# Altium PCB LAB_B3_209_V2.PcbDoc (part 3 of 4)
Units mm, origin at the board's own origin, x right, y up, seen from the top; angles counter-clockwise.
Board outline 94.69 x 88.04 mm, 4 copper layers (L1 [TOP], L2[GND], L3[SIG], L4[BOT]), stack 1.527 mm thick; 372 components, 284 nets, 1235 pads, 485 vias.
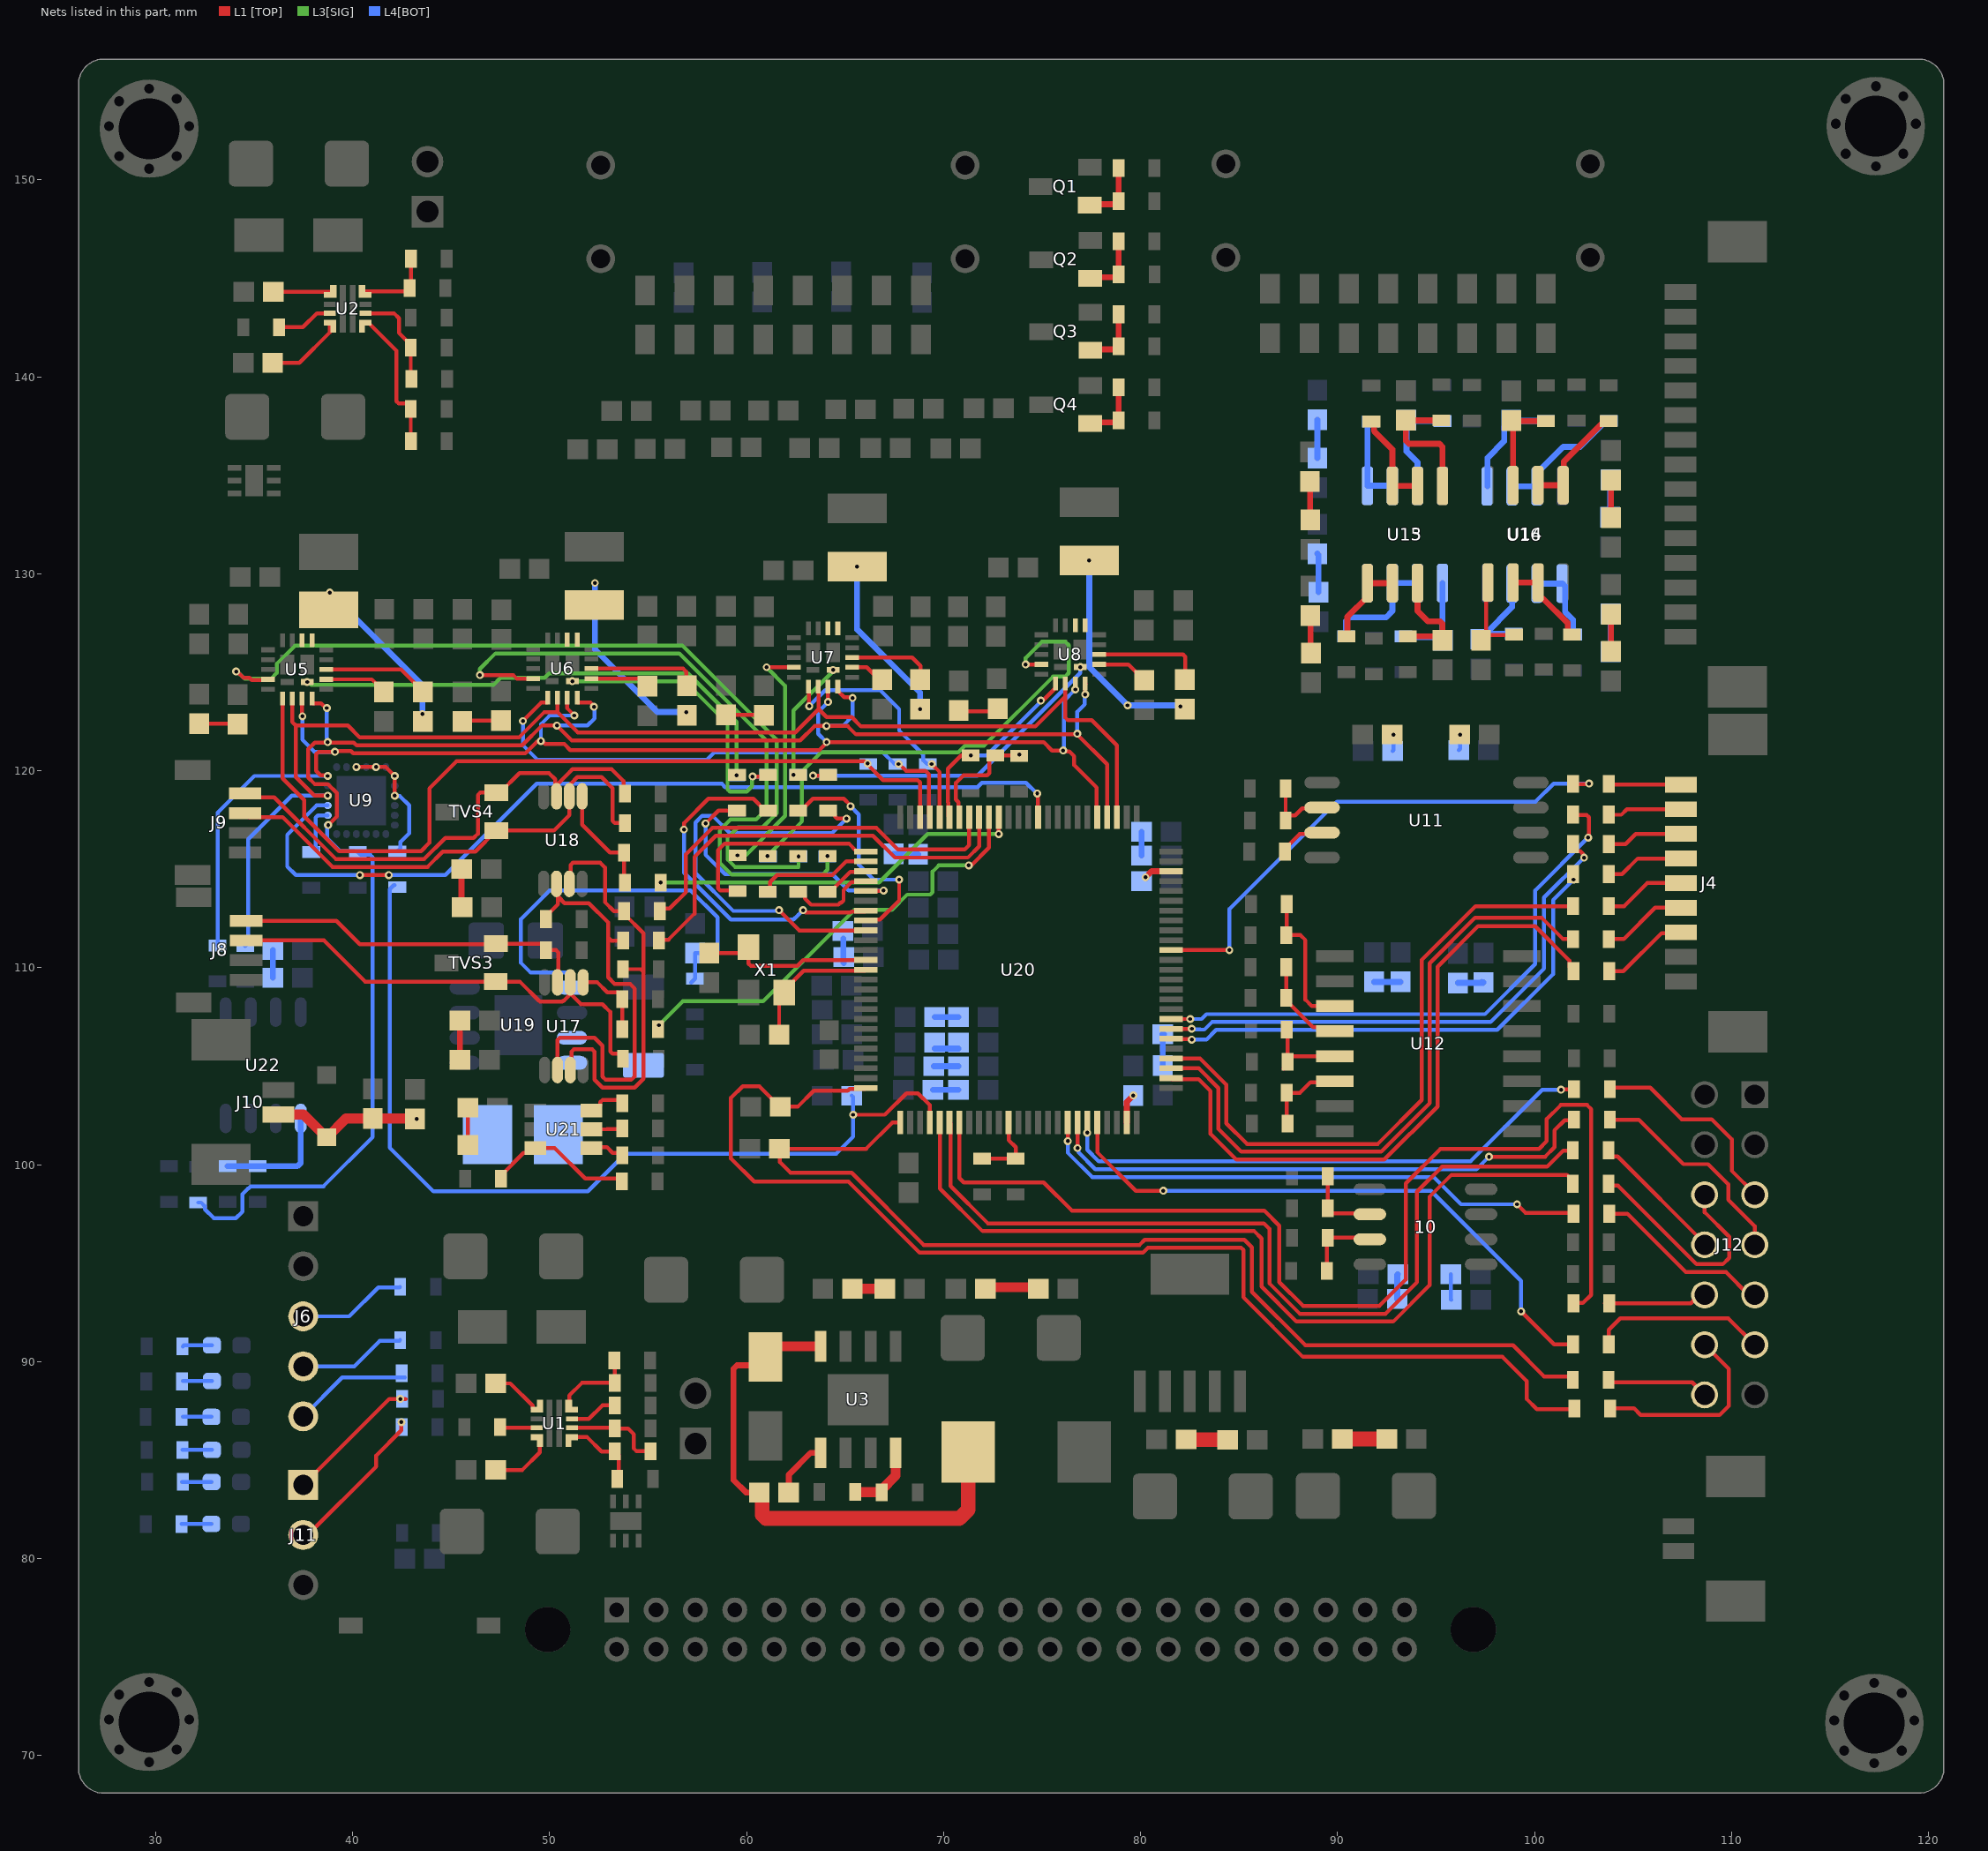
[diagram p5: the nets of this part, all layers, seen from the top]

## Via types
v1: diameter 0.4, hole 0.2, L1 [TOP] to L4[BOT], tented both sides, 297 vias
v2: diameter 0.4, hole 0.2, L1 [TOP] to L4[BOT], 66 vias
v3: diameter 0.4, hole 0.2, L1 [TOP] to L2[GND], tented both sides, 66 vias
v4: diameter 0.4, hole 0.2, L2[GND] to L4[BOT], tented both sides, 14 vias
v5: diameter 0.5, hole 0.2, L1 [TOP] to L4[BOT], tented both sides, 12 vias
v6: diameter 0.4, hole 0.2, L3[SIG] to L4[BOT], 10 vias
v7: diameter 0.4, hole 0.2, L1 [TOP] to L3[SIG], tented both sides, 9 vias
v8: diameter 0.4, hole 0.2, L1 [TOP] to L2[GND], 6 vias
v9: diameter 0.4, hole 0.2, L3[SIG] to L4[BOT], tented both sides, 3 vias
v10: diameter 0.4, hole 0.2, L2[GND] to L4[BOT], 2 vias

## Nets (pads, with @x,y where several pads share a name; then routed paths per layer and width w, separated by ;. In a path a pad name is that pad's centre, name@x,y a point inside that pad or via, vN(x,y) a via of type N, cw(c..) or ccw(c..) an arc to the next point about the centre after c; other vN are vias at no path point) (continued)
MCU_LASER_ADC1: C153.1 R126.2 U20.25 | length 61.2
  L1 [TOP] w0.2: U20.25@66.05,103.9 66,103.85 65.226,103.85 65.141,103.765 63.412,103.765 62.594,102.946 C153.1@61.71,102.946 61.685,102.946 60.644,103.988 59.798,103.988 59.207,103.397 59.207,100.315 60.38,99.143 65.17,99.143 68.783,95.53 80.114,95.53 80.375,95.79 85.1,95.79 85.217,95.673 85.217,93.269 88.24,90.246 98.374,90.246 99.593,89.027 99.593,88.113 100.115,87.591 R126.2@101.981,87.591
MCU_LASER_ADC2: C152.1 R127.2 U20.26 | length 53.8
  L1 [TOP] w0.2: U20.26@67.8,102.15 67.403,102.15 66.065,100.813 C152.1@61.659,100.813 61.694,100.778 61.694,100.13 62.23,99.593 65.329,99.593 68.992,95.93 79.949,95.93 80.209,96.19 85.266,96.19 85.649,95.807 85.649,93.548 88.367,90.83 98.908,90.83 100.483,89.255 R127.2@102.019,89.255
MCU_LASER_DAC_CS: R123.1 U20.43 | length 28.5
  L1 [TOP] w0.2: v1(76.3,101.202) U20.43@76.3,102.15 ; v1(99.111,97.993) 99.539,97.565 101.941,97.565 R123.1@101.962,97.587
  L4[BOT] w0.2: v1(76.3,101.202) 76.3,100.613 77.536,99.378 94.882,99.378 96.266,97.993 v1(99.111,97.993)
MCU_LASER_DAC_LATCH: R125.1 U20.46 | length 30.6
  L1 [TOP] w0.2: U20.46@77.8,102.15 77.8,100.635 79.756,98.679 v1(81.153,98.679) ; v1(99.314,92.558) 100.99,90.881 R125.1@101.956,90.881
  L4[BOT] w0.2: v1(81.153,98.679) 94.742,98.679 99.314,94.107 v1(99.314,92.558)
MCU_LASER_MISO: R124.2 U20.31 | length 45.3
  L1 [TOP] w0.2: U20.31@70.3,102.15 70.35,102.1 70.35,101.533 70.35,98.923 72.245,97.028 86.258,97.028 86.538,96.749 86.538,93.98 88.081,92.437 92.437,92.437 94.031,94.031 94.031,98.628 95.301,99.898 100.635,99.898 101.46,100.724 101.93,100.724 R124.2@101.943,100.736
MCU_LASER_MOSI: R122.2 U20.32 | length 57.6
  L1 [TOP] w0.2: U20.32@70.8,102.15 70.8,99.331 71.03,99.101 75.083,99.101 76.521,97.663 86.284,97.663 87.043,96.904 87.043,94.041 88.247,92.837 92.126,92.837 93.472,94.183 93.472,99.06 95.221,100.809 100.225,100.809 100.615,101.199 100.615,102.317 101.334,103.036 102.663,103.036 102.87,102.829 102.87,93.396 102.451,92.977 101.982,92.977 R122.2@101.969,92.964
MCU_LASER_SCK: R120.2 U20.30 | length 45.7
  L1 [TOP] w0.2: U20.30@69.8,102.15 69.812,102.138 69.812,98.793 71.977,96.628 85.769,96.628 86.138,96.26 86.138,93.814 87.915,92.037 92.824,92.037 94.666,93.878 94.666,98.374 95.783,99.492 101.636,99.492 101.943,99.184 R120.2@101.943,99.034
MCU_LASER_SW_EXT_CS: R121.1 U20.44 | length 28.6
  L1 [TOP] w0.2: v1(76.8,100.848) U20.44@76.8,102.15 ; v1(97.688,100.409) 100.536,100.409 101.015,100.888 101.015,101.752 101.523,102.26 101.981,102.26 R121.1@102.006,102.286
  L4[BOT] w0.2: v1(76.8,100.848) 76.838,100.809 76.838,100.641 77.701,99.778 97.057,99.778 v1(97.688,100.409)
MCU_LASER_SW_INT_CS: R8.1 U20.45 | length 27.9
  L1 [TOP] w0.2: v1(77.292,101.625) 77.292,102.142 U20.45@77.3,102.15 ; v2@101.321,103.784 v2(101.346,103.81) 101.371,103.835 R8.1@102.006,103.835
  L4[BOT] w0.2: v1(77.292,101.625) 77.292,100.752 77.867,100.178 96.749,100.178 100.381,103.81 v2(101.346,103.81)
MCU_PHOTO_ADC_CONV: R133.1 U20.58 | length 29.1
  L1 [TOP] w0.2: U20.58@81.55,107.4 v1(82.516,107.4) ; R133.1@101.956,117.78 101.973,117.762 102.639,117.762 102.756,117.645 102.756,116.65 v1(102.718,116.611)
  L4[BOT] w0.2: v1(82.516,107.4) 83.094,107.4 83.339,107.645 97.485,107.645 100.025,110.185 100.025,113.919 v1(102.718,116.611)
MCU_PHOTO_ADC_CS: R132.1 U20.57 | length 27.7
  L1 [TOP] w0.2: U20.57@81.55,106.9 81.554,106.904 82.597,106.904 v1(82.601,106.907) ; R132.1@101.956,116.281 101.956,116.131 102.156,115.931 102.309,115.931 102.476,115.764 102.476,115.634 v1(102.514,115.595)
  L4[BOT] w0.2: v1(82.601,106.907) 82.638,106.87 83.03,106.87 83.039,106.861 83.239,106.861 83.623,107.245 97.771,107.245 100.482,109.957 100.482,113.563 v1(102.514,115.595)
MCU_PHOTO_ADC_EOC: R134.1 U20.65 | length 26.8
  L1 [TOP] w0.2: U20.65@81.55,110.9 81.552,110.898 84.504,110.898 v1(84.506,110.896) ; R134.1@101.956,119.329 102.743,119.329 v1(102.768,119.355)
  L4[BOT] w0.2: v1(84.506,110.896) 84.506,112.979 89.967,118.44 100.051,118.44 100.965,119.355 v1(102.768,119.355)
MCU_PHOTO_MISO: R129.1 U20.53 | length 32.9
  L1 [TOP] w0.2: U20.53@81.55,104.9 82.952,104.9 83.953,103.898 83.953,101.822 85.115,100.66 91.064,100.66 92.209,100.66 94.672,103.124 94.672,104.28 94.672,110.236 96.984,112.547 100.355,112.547 101.448,111.455 R129.1@101.956,111.455
MCU_PHOTO_MOSI: R130.1 U20.54 | length 32.5
  L1 [TOP] w0.2: U20.54@81.55,105.4 83.017,105.4 84.353,104.064 84.353,102.108 85.401,101.06 92.043,101.06 94.272,103.289 94.272,110.401 97.003,113.132 R130.1@101.956,113.132
MCU_PHOTO_PD_CS: R131.1 U20.56 | length 26.3
  L1 [TOP] w0.2: U20.56@81.55,106.4 81.575,106.375 82.576,106.375 v1(82.601,106.35) ; R131.1@101.956,114.757 101.981,114.732 v1(101.981,114.478)
  L4[BOT] w0.2: v1(82.601,106.35) 83.337,106.35 83.833,106.845 98.108,106.845 100.94,109.677 100.94,113.436 v1(101.981,114.478)
MCU_PHOTO_SCK: R128.1 U20.52 | length 33.6
  L1 [TOP] w0.2: U20.52@81.55,104.4 81.6,104.35 82.167,104.35 82.936,104.35 83.553,103.732 83.553,101.562 84.855,100.26 91.218,100.26 92.375,100.26 95.072,102.958 95.072,104.115 95.072,110.058 97.13,112.116 100.025,112.116 101.781,110.36 101.781,110.03 R128.1@101.981,109.83
MCU_SENSOR1_EN: R96.1 U20.91 | length 22.7
  L1 [TOP] w0.2: v1(71.272,115.196) 71.401,115.196 72.307,116.102 72.307,117.643 U20.91@72.3,117.65
  L3[SIG] w0.2: v7(55.55,107.086) 56.763,108.299 60.827,108.299 65.463,112.936 67.368,112.936 68.148,113.716 69.326,113.716 69.444,113.833 69.444,114.884 69.756,115.196 v1(71.272,115.196) v1@71.267,115.202
MCU_SENSOR2_EN: R97.2 U20.90 | length 19
  L1 [TOP] w0.2: v1(72.796,116.789) 72.798,116.791 72.798,117.648 U20.90@72.8,117.65
  L3[SIG] w0.2: v1(55.638,114.326) 66.726,114.326 69.19,116.789 v1(72.796,116.789)
MCU_SENSOR_SCL: R94.1 U20.92 | length 22.3
  L1 [TOP] w0.2: R94.1@55.55,111.379 55.601,111.43 56.033,111.43 57.353,112.751 57.353,115.63 58.432,116.709 66.415,116.709 67.528,115.596 71.235,115.596 71.803,116.164 71.803,117.647 U20.92@71.8,117.65
MCU_SENSOR_SDA: R95.1 U20.93 | length 20.6
  L1 [TOP] w0.2: R95.1@55.601,112.878 55.728,113.005 56.084,113.005 56.921,113.843 56.921,115.764 58.267,117.109 66.581,117.109 67.688,116.002 71.075,116.002 71.299,116.226 71.299,117.649 U20.93@71.3,117.65
MCU_TEC_1_C\S\: R145.1 U5.15 U20.98 | length 44.2
  L1 [TOP] w0.2: U5.15@36.436,123.671 36.436,121.521 36.442,121.515 36.442,119.616 37.541,118.516 37.541,117.692 39.308,115.926 43.471,115.926 43.9,116.355 43.9,119.11 45.275,120.484 65.974,120.484 66.087,120.371 v1(66.142,120.371) ; v1@66.115,120.344 66.926,119.532 68.683,119.532 68.8,119.415 U20.98@68.8,117.65
MCU_TEC_1_EN: R23.1 U20.5 | length 14.2
  L1 [TOP] w0.2: v1(57.912,117.323) 58.572,117.983 R23.1@59.512,117.983 ; U20.5@66.05,113.9 66.059,113.91 66.945,113.91 v1(66.954,113.919)
  L4[BOT] w0.2: v1(57.912,117.323) 57.912,115.748 58.903,114.757 64.344,114.757 65.18,113.921 66.02,113.921 66.022,113.919 v1(66.954,113.919)
MCU_TEC_1_SWEN: R21.1 U20.4 | length 4.5
  L1 [TOP] w0.2: R21.1@62.761,113.868 62.961,113.668 62.961,113.518 63.279,113.2 64.654,113.2 64.754,113.3 64.803,113.3 64.92,113.417 64.92,113.944 65.326,114.35 66,114.35 U20.4@66.05,114.4
MCU_TEC_2_C\S\: R146.1 U6.15 U20.97 | length 26.8
  L1 [TOP] w0.2: v2(48.641,122.53) 49.574,123.462 49.871,123.462 49.896,123.487 U6.15@49.896,123.712 ; v1(67.716,120.345) 67.744,120.345 68.084,120.006 69.072,120.006 69.25,119.828 69.25,118.267 69.25,117.7 U20.97@69.3,117.65
  L4[BOT] w0.2: v2(48.641,122.53) 48.641,121.31 49.403,120.548 57.961,120.548 58.342,120.929 65.577,120.929 65.593,120.945 66.741,120.945 66.757,120.929 66.931,120.929 67.516,120.345 v1(67.716,120.345)
MCU_TEC_2_EN: R24.1 U20.7 | length 18.1
  L1 [TOP] w0.2: v1(56.82,117.018) 56.82,117.348 58.055,118.583 60.337,118.583 60.937,117.983 R24.1@61.087,117.983 ; v1(62.865,112.928) 62.993,112.8 65.276,112.8 65.326,112.85 66,112.85 U20.7@66.05,112.9
  L4[BOT] w0.2: v1(56.82,117.018) 56.82,114.824 59.198,112.446 62.382,112.446 62.624,112.688 v1(62.865,112.928)
MCU_TEC_2_SWEN: R22.1 U20.3 | length 2.4
  L1 [TOP] w0.2: R22.1@64.11,113.868 64.26,113.868 65.27,114.878 66.028,114.878 U20.3@66.05,114.9
MCU_TEC_3_C\S\: R147.1 U7.15 U20.96 | length 12.8
  L1 [TOP] w0.2: U7.15@63.131,124.28 63.153,124.258 63.153,123.308 v2(63.175,123.286) ; v1(69.393,120.345) 69.8,119.938 U20.96@69.8,117.65
  L4[BOT] w0.2: v2(63.175,123.286) 63.986,124.098 66.783,124.098 67.742,123.139 67.742,122.047 68.961,120.828 68.961,120.545 69.161,120.345 v1(69.393,120.345)
MCU_TEC_3_EN: R31.1 U20.8 | length 11.8
  L1 [TOP] w0.2: R31.1@62.611,117.983 62.761,117.983 63.361,118.583 64.932,118.583 65.278,118.237 v1(65.278,118.2) ; U20.8@66.05,112.4 66.1,112.45 66.774,112.45 67.742,113.418 v1(67.742,114.478)
  L4[BOT] w0.2: v1(65.278,118.2) 65.691,117.786 65.691,115.237 66.45,114.478 v1(67.742,114.478)
MCU_TEC_3_SWEN: R29.1 U20.1 | length 10.7
  L1 [TOP] w0.2: R29.1@59.487,113.919 58.664,113.919 58.547,114.036 58.547,115.976 58.88,116.309 65.191,116.309 65.55,115.95 66,115.95 U20.1@66.05,115.9
MCU_TEC_4_C\S\: R148.1 U8.15 U20.95 | length 9.9
  L1 [TOP] w0.2: U20.95@70.3,117.65 70.25,117.7 70.25,118.374 70.224,118.4 70.224,120.11 70.891,120.777 v2(71.374,120.777) ; v2(74.939,123.562) 74.978,123.6 75.077,123.6 75.683,124.206 U8.15@75.683,124.431
  L4[BOT] w0.2: v2(71.374,120.777) 72.187,120.777 74.939,123.529 v2(74.939,123.562)
MCU_TEC_4_EN: R32.1 U20.9 | length 22.1
  L1 [TOP] w0.2: v1(61.646,112.928) 62.674,111.9 U20.9@66.05,111.9 ; R32.1@64.135,117.983 64.285,117.983 64.485,117.783 64.485,117.694 64.602,117.577 v1(65.075,117.577)
  L4[BOT] w0.2: v1(61.646,112.928) 61.608,112.89 61.466,112.89 61.464,112.888 59.322,112.888 57.404,114.805 57.404,117.38 57.746,117.723 58.268,117.723 59.15,116.84 64.338,116.84 v1(65.075,117.577)
MCU_TEC_4_SWEN: R30.1 U20.2 | length 5.8
  L1 [TOP] w0.2: R30.1@61.062,113.868 61.189,113.995 61.189,114.351 61.544,114.706 64.364,114.706 65.057,115.4 U20.2@66.05,115.4
MCU_TEC_ADC: C70.1 R39.1 U20.29 | length 46.6
  L1 [TOP] w0.2: v1(65.405,102.54) 67.016,102.54 68.108,103.632 68.699,103.632 69.3,103.031 U20.29@69.3,102.15
  L4[BOT] w0.2: R39.1@42.139,114.198 42.085,114.198 41.885,113.998 41.885,100.863 44.094,98.654 51.943,98.654 53.848,100.558 64.541,100.558 65.405,101.422 v1(65.405,102.54) 65.405,103.442 C70.1@65.342,103.505
MCU_TEC_ADC_CS: U9.21 U20.86 | length 46.1
  L1 [TOP] w0.2: v2(40.369,114.706) v2(41.834,114.706) ; v1(74.752,118.847) 74.776,118.823 74.776,117.674 U20.86@74.8,117.65
  L4[BOT] w0.2: U9.21@38.737,118.241 38.163,118.241 36.678,116.755 36.678,115.138 37.109,114.706 v2(40.369,114.706) ; v2(41.834,114.706) 44.704,114.706 49.343,119.345 58.741,119.345 58.913,119.173 71.715,119.173 71.94,119.398 74.183,119.398 74.735,118.847 v1(74.752,118.847)
MCU_TEC_MISO: R38.1 R144.2 U5.18 U6.18 U7.18 U8.18 U9.19 U20.79 | length 92.2
  L1 [TOP] w0.2: U5.18@37.936,123.671 37.936,123.446 37.961,123.421 38.399,123.421 38.63,123.19 v2(38.684,123.19) ; v2(38.76,117.246) 39.192,117.678 39.192,118.872 38.729,119.336 38.068,119.336 37.744,119.659 37.744,121.107 38.075,121.437 40.049,121.437 40.195,121.291 48.603,121.291 49.626,122.314 50.356,122.314 51.124,121.545 62.719,121.545 63.449,122.276 v2(64.052,122.276) 65.126,122.276 65.551,121.85 76.752,121.85 v2(76.784,121.882) ; U6.18@51.396,123.712 51.396,123.487 51.421,123.462 52.074,123.462 52.248,123.288 v2(52.248,123.254) ; U7.18@64.631,124.28 64.631,124.055 64.95,123.736 65.341,123.736 v2(65.38,123.698) ; v2@76.784,121.844 78.3,120.328 U20.79@78.3,117.65 ; v2(77.191,123.876) 77.191,124.181 U8.18@77.183,124.431 U8.18@77.208,124.406
  L4[BOT] w0.2: R144.2@32.156,98.082 32.306,98.082 32.506,97.882 32.506,97.732 32.957,97.282 34.071,97.282 34.405,97.616 34.405,98.508 34.677,98.781 34.696,98.781 34.823,98.908 38.516,98.908 41.009,101.4 41.009,115.616 40.892,115.733 40.401,115.733 R38.1@40.259,115.875 ; v2(38.684,123.19) 38.684,121.655 38.697,121.642 38.697,121.501 v2(38.735,121.463) ; v2(38.76,117.246) 38.71,117.196 38.71,116.653 38.712,116.65 38.712,116.569 39.355,115.926 R38.1@40.056,115.926 ; v2(50.368,122.301) 51.918,122.301 52.286,122.669 52.286,123.215 v2(52.248,123.254) ; v2(64.052,122.276) 64.872,122.276 65.38,122.784 v2(65.38,123.698) ; v2(76.784,121.882) 76.784,122.991 77.169,123.376 77.169,123.854 v2(77.191,123.876)
MCU_TEC_MOSI: R143.2 U5.17 U6.17 U7.17 U8.17 U9.24 U20.80 | length 72.1
  L1 [TOP] w0.2: U5.17@37.436,123.671 37.436,122.788 v2(37.45,122.773) ; v2(38.737,119.741) 38.699,119.779 38.375,119.779 38.151,120.004 38.151,120.848 38.268,120.966 v2(39.101,120.966) ; v2@39.091,120.955 39.14,121.004 39.917,121.004 40.029,120.891 48.769,120.891 49.353,121.475 49.517,121.475 v2(49.555,121.514) 49.61,121.514 49.762,121.361 50.742,121.361 51.047,121.056 63.693,121.056 64.059,121.422 v2(64.059,121.463) 64.072,121.45 75.088,121.45 75.507,121.031 v2(76.073,121.031) 76.111,120.993 76.38,120.993 76.632,120.741 76.632,120.294 77.775,119.151 77.775,117.675 U20.80@77.8,117.65 ; U6.17@50.896,123.712 50.896,123.17 v2(51.257,122.809) ; U7.17@64.131,124.28 64.133,124.278 64.133,123.497 v2(64.135,123.495)
  L4[BOT] w0.2: R143.2@33.147,111.137 33.147,117.882 35.007,119.741 v2(38.737,119.741) ; v2@37.447,122.77 v2(37.45,122.773) 37.45,121.579 38.064,120.966 v2(39.101,120.966) ; v2(49.555,121.514) 49.555,122.364 50,122.809 v2(51.257,122.809) ; v2(64.059,121.463) 64.044,121.463 63.627,121.88 63.627,122.987 v2(64.135,123.495) ; v2(76.073,121.031) 76.111,121.069 76.111,123.558 76.681,124.128 v2(76.681,124.13)
MCU_TEC_SCK: R142.2 U5.16 U6.16 U7.16 U8.16 U9.22 U20.78 | length 68.8
  L1 [TOP] w0.2: U5.16@36.936,123.671 36.934,123.669 36.934,122.477 37.109,122.301 ; v2(38.737,118.741) 38.053,118.741 37.109,119.685 37.109,122.301 ; U6.16@50.396,123.712 50.396,122.985 ; U7.16@63.631,124.28 63.656,124.255 63.656,123.136 ; U8.16@76.183,124.431 76.183,123.782 ; U20.78@78.8,117.65 78.8,121.301 77.521,122.58 76.3,122.58 76.183,122.698 76.183,123.782 ; 37.109,122.301 39.751,122.301 40.361,121.691 48.438,121.691 49.731,122.985 50.396,122.985 ; 50.396,122.985 51.435,121.945 62.466,121.945 63.656,123.136 ; 63.656,123.136 64.059,122.733 65.329,122.733 65.812,122.25 74.65,122.25 76.183,123.782
  L4[BOT] w0.2: R142.2@34.544,111.112 34.694,111.262 34.694,116.528 36.911,118.745 38.733,118.745 v2(38.737,118.741)
Net10_6: 10.6 R41.1 R45.2 | length 3.8
  L1 [TOP] w0.2: R41.1@89.51,99.276 89.51,97.736 89.71,97.536 10.6@91.715,97.536
Net10_7: 10.7 R40.1 R44.2 | length 3.9
  L1 [TOP] w0.2: R40.1@89.459,94.615 89.459,96.254 R44.2@89.497,96.292 10.7@91.69,96.292
NetC3_2: C3.2 U1.7 | length 2.7
  L1 [TOP] w0.2: C3.2@47.257,88.9 48.005,88.9 49.137,87.768 49.137,87.618 49.187,87.568 U1.7@49.337,87.568
NetC4_2: C4.2 U1.10 | length 3.2
  L1 [TOP] w0.2: C4.2@47.257,84.506 48.616,84.506 49.505,85.395 49.505,85.985 U1.10@49.512,85.993
NetC5_1: C5.1 D2.2 L1.1 U3.8 | length 27.7
  L1 [TOP] w0.3: C5.1@60.642,83.363 59.967,83.363 59.334,83.996 59.334,89.639 59.51,89.814 60.535,89.814 D2.2@60.96,90.24
  L1 [TOP] w0.5: D2.2@60.96,90.24 61.5,90.78 U3.8@63.754,90.78 U3.8@63.729,90.754
  L1 [TOP] w0.75: C5.1@60.642,83.363 60.666,83.363 60.791,83.238 60.791,82.229 60.978,82.042 70.804,82.042 71.243,82.481 L1.1@71.243,86.106
NetC5_2: C5.2 U3.1 | length 3
  L1 [TOP] w0.3: C5.2@62.142,83.363 62.142,84.265 63.246,85.369 63.744,85.369 U3.1@63.754,85.38
NetC6_1: C6.1 C10.2 | length 1.6
  L1 [TOP] w0.5: C6.1@65.368,93.701 C10.2@67.017,93.701
NetC7_2: C7.2 C11.1 | length 2.7
  L1 [TOP] w0.5: C11.1@72.124,93.751 72.149,93.777 74.79,93.777 C7.2@74.815,93.802
NetC14_2: C14.2 U2.7 | length 3.1
  L1 [TOP] w0.2: C14.2@35.965,144.326 39.014,144.326 U2.7@39.022,144.334
NetC15_2: C15.2 U2.10 | length 4
  L1 [TOP] w0.2: C15.2@35.939,140.72 37.298,140.72 38.847,142.269 U2.10@38.847,142.759
NetC16_1: C16.1 C20.2 | length 2.1
  L1 [TOP] w0.75: C16.1@82.309,86.055 82.322,86.042 84.404,86.042 C20.2@84.416,86.03
NetC19_1: C19.1 C21.2 | length 2.3
  L1 [TOP] w0.75: C21.2@90.234,86.081 C19.1@92.493,86.081
NetC36_1: C36.1 C38.1 | length 2
  L1 [TOP] w0.2: C38.1@32.207,122.389 34.15,122.389 C36.1@34.163,122.376
NetC37_1: C37.1 C39.1 | length 2
  L1 [TOP] w0.2: C37.1@45.542,122.542 C39.1@47.523,122.542
NetC40_1: C40.1 L2.1 U5.6 U5.7 | length 8.1
  L4[BOT] w0.3: v1(38.84,129.054) 43.536,124.358 v1(43.536,122.879)
NetC40_2: C40.2 U5.3 | length 5.4
  L1 [TOP] w0.2: U5.3@38.661,125.146 42.456,125.146 43.561,124.041 C40.2@43.561,124.016
NetC41_1: C41.1 L3.1 U6.6 U6.7 | length 9.3
  L4[BOT] w0.3: v1(52.299,129.54) 52.299,126.163 55.475,122.987 v1(56.928,122.987)
NetC41_2: C41.2 U6.3 | length 5.6
  L1 [TOP] w0.2: U6.3@52.121,125.187 56.778,125.187 56.937,125.029 56.937,124.356 C41.2@56.972,124.321
NetC44_2: C44.2 U5.2 | length 3.2
  L1 [TOP] w0.2: U5.2@38.661,124.646 40.975,124.646 41.58,124.041 C44.2@41.58,124.016
NetC45_2: C45.2 U6.2 | length 3
  L1 [TOP] w0.2: U6.2@52.121,124.687 54.574,124.687 C45.2@54.966,124.296
NetC60_1: C60.1 C62.1 | length 1.9
  L1 [TOP] w0.2: C62.1@58.953,122.833 60.872,122.833 C60.1@60.884,122.821
NetC61_1: C61.1 C63.1 | length 2
  L1 [TOP] w0.2: C61.1@70.663,123.024 72.657,123.024 C63.1@72.669,123.012
NetC64_1: C64.1 L5.1 U8.6 U8.7 | length 10.9
  L4[BOT] w0.3: v1(77.394,130.681) 77.394,125.273 v1(79.342,123.325) 81.958,123.325 v1(82.017,123.266)
NetC64_2: C64.2 U8.3 | length 5.6
  L1 [TOP] w0.2: U8.3@77.908,125.906 82.153,125.906 82.271,125.789 82.271,124.651 C64.2@82.245,124.626
NetC65_1: C65.1 L4.1 U7.6 U7.7 | length 8.6
  L4[BOT] w0.3: v1(65.608,130.376) 65.608,127.178 68.809,123.977 v1(68.809,123.126)
NetC65_2: C65.2 U7.3 | length 4.5
  L1 [TOP] w0.2: U7.3@65.356,125.755 68.402,125.755 68.834,125.324 C65.2@68.834,124.473
NetC68_2: C68.2 U7.2 | length 1.9
  L1 [TOP] w0.2: U7.2@65.356,125.255 66.096,125.255 66.904,124.448 C68.2@66.904,124.423
NetC69_2: C69.2 U8.2 | length 2.6
  L1 [TOP] w0.2: U8.2@77.908,125.406 79.382,125.406 79.763,125.025 79.788,125.025 80.188,124.625 C69.2@80.188,124.6
NetC71_1: C71.1 C73.2 | length 1.3
  L4[BOT] w0.2: C71.1@95.757,94.437 95.757,93.155 C73.2@95.77,93.142
NetC72_1: C72.1 C74.2 | length 1.3
  L4[BOT] w0.2: C74.2@93.028,93.193 C74.2@93.091,93.255
  L4[BOT] w0.3: C74.2@93.028,93.193 93.028,94.412 C72.1@93.054,94.437
NetC75_1: C75.1 C77.2 | length 1.5
  L4[BOT] w0.2: C77.2@96.114,109.232 C77.2@96.127,109.245 ; C75.1@97.319,109.347 C75.1@97.409,109.257
  L4[BOT] w0.3: C77.2@96.114,109.232 97.384,109.232 C75.1@97.409,109.257
NetC76_1: C76.1 C78.2 | length 1.4
  L4[BOT] w0.2: C76.1@91.834,109.271 C76.1@91.846,109.283 ; C78.2@93.193,109.283 C78.2@93.23,109.245
  L4[BOT] w0.3: C76.1@91.846,109.283 C78.2@93.193,109.283
NetC79_1: C79.1 C81.2 | length 0.8
  L1 [TOP] w0.2: C79.1@96.202,121.844 v1(96.215,121.844)
  L4[BOT] w0.2: C81.2@96.151,121.056 96.215,121.121 v1(96.215,121.844)
NetC80_1: C80.1 C82.2 | length 0.9
  L1 [TOP] w0.2: C80.1@92.761,121.83 C80.1@92.774,121.844
  L4[BOT] w0.2: C82.2@92.8,121.006 92.837,121.043 v1(92.837,121.844)
NetC85_2: C85.2 C86.1 | length 1.9
  L1 [TOP] w0.3: C86.1@103.886,126.074 C85.2@103.886,127.952
NetC87_2: C87.2 C88.1 | length 1.9
  L1 [TOP] w0.3: C87.2@103.886,132.855 103.873,132.868 103.886,132.881 C88.1@103.886,134.759 C88.1@103.899,134.746
NetC89_1: C89.1 R68.2 U13.3 | length 5.6
  L1 [TOP] w0.3: R68.2@93.573,126.835 95.124,126.835 C89.1@95.326,126.632 95.326,127.467 95.209,127.584 94.59,127.584 94.056,128.118 U13.3@94.056,129.528
NetC90_1: C90.1 R69.1 U13.5 | length 6.8
  L1 [TOP] w0.3: R69.1@95.275,137.795 93.484,137.795 C90.1@93.472,137.807 93.472,136.754 93.624,136.601 95.174,136.601 95.326,136.449 U13.5@95.326,134.468
NetC93_1: C93.1 C94.2 | length 1.9
  L1 [TOP] w0.3: C94.2@88.621,127.876 88.633,127.863 88.633,125.985 C93.1@88.646,125.972
NetC95_2: C95.2 C96.1 | length 2
  L1 [TOP] w0.3: C96.1@88.595,134.683 88.608,134.67 88.608,132.753 C95.2@88.621,132.74
NetC97_1: C97.1 R74.1 U14.5 | length 4.5
  L1 [TOP] w0.2: C97.1@97.282,126.632 C97.1@97.548,126.898 ; U14.5@97.638,129.559 97.548,129.47 C97.1@97.548,126.898 ; R74.1@98.958,126.924 98.933,126.898 97.638,126.898 C97.1@97.548,126.898
NetC99_1: C99.1 R75.2 U14.3 | length 5
  L1 [TOP] w0.3: C99.1@98.831,137.782 C99.1@98.856,137.757 ; U14.3@98.908,134.499 98.908,137.705 C99.1@98.856,137.757 ; R75.2@100.584,137.757 C99.1@98.856,137.757
NetC101_2: C101.2 C102.1 | length 1.9
  L4[BOT] w0.3: C102.1@103.861,126.048 C101.2@103.861,127.977
NetC103_2: C103.2 C104.1 | length 1.9
  L4[BOT] w0.3: C103.2@103.835,132.881 103.835,134.759 C104.1@103.861,134.784
NetC105_1: C105.1 R79.1 U15.5 | length 4.7
  L4[BOT] w0.3: R79.1@93.599,126.797 95.187,126.797 C105.1@95.326,126.658 ; U15.5@95.326,129.534 95.326,126.797 C105.1@95.326,126.658 ; C105.1@95.352,126.632 C105.1@95.326,126.658
NetC107_1: C107.1 R81.2 U15.3 | length 5.4
  L4[BOT] w0.3: U15.3@94.056,134.474 94.056,135.661 93.497,136.22 C107.1@93.497,137.807 93.547,137.757 R81.2@95.326,137.757
NetC109_2: C109.2 C110.1 | length 2
  L4[BOT] w0.3: C109.2@88.976,131.025 89.027,130.974 C110.1@89.027,129.071
NetC111_2: C111.2 C112.1 | length 2
  L4[BOT] w0.3: C111.2@88.976,135.878 C112.1@88.976,137.832
NetC113_1: C113.1 R86.2 U16.3 | length 5.3
  L4[BOT] w0.3: U16.3@98.882,129.508 98.86,129.486 98.86,128.311 97.522,126.974 97.257,126.708 C113.1@97.257,126.683 97.535,126.962 R86.2@98.933,126.962
NetC115_1: C115.1 R87.1 U16.5 | length 5.6
  L4[BOT] w0.3: U16.5@97.612,134.448 97.612,135.89 98.456,136.734 98.456,137.457 C115.1@98.806,137.807 98.843,137.77 R87.1@100.584,137.77
NetC117_2: C117.2 C119.1 | length 2
  L1 [TOP] w0.3: C117.2@45.453,105.334 C119.1@45.453,107.315
NetC118_2: C118.2 C120.1 | length 1.9
  L1 [TOP] w0.3: C120.1@45.529,115.011 45.529,113.106 C118.2@45.554,113.081
NetC123_2: C123.2 C124.2 D5.1 J10.2 L6.2 | length 7.8
  L1 [TOP] w0.2: D5.1@38.659,101.397 D5.1@38.684,101.397 D5.1@38.709,101.397 ; C124.2@43.129,102.349 C124.2@43.155,102.323
  L1 [TOP] w0.5: J10.2@36.225,102.55 37.506,102.55 D5.1@38.659,101.397 ; D5.1@38.709,101.397 39.661,102.349 C123.2@41.021,102.349 C124.2@43.129,102.349
  other v1: 43.256,102.337
NetC125_1: C125.1 R103.1 U19.5 | length 21.3
  L4[BOT] w0.2: U19.5@51.137,108.991 51.137,109.654 51.02,109.772 49.019,109.772 48.544,110.247 48.544,112.468 49.995,113.919 57.159,113.919 58.522,112.556 58.522,110.861 58.404,110.744 57.385,110.744 C125.1@57.379,110.75 R103.1@57.379,109.449 R103.1@57.179,109.249
NetC126_2: C126.2 C129.1 | length 1.6
  L4[BOT] w0.3: C129.1@81.116,106.629 81.128,106.617 C126.2@81.128,105.042
NetC127_2: C127.2 C130.1 | length 1.3
  L4[BOT] w0.3: C127.2@67.462,115.785 68.682,115.785 C130.1@68.707,115.76
NetC131_2: C131.2 C141.1 | length 1.2
  L4[BOT] w0.3: C131.2@69.55,105.9 C141.1@70.75,105.9
NetC132_2: C132.2 C140.1 | length 1.3
  L4[BOT] w0.3: C132.2@69.45,103.8 C140.1@70.75,103.8
NetC133_2: C133.2 C142.1 | length 1.2
  L4[BOT] w0.3: C133.2@69.5,105 C142.1@70.75,105
NetC134_1: C134.1 U20.73 | length 1.5
  L1 [TOP] w0.3: v1@80.25,114.554 v1(80.25,114.591) 80.559,114.9 U20.73@81.55,114.9
NetC135_1: C135.1 U20.49 | length 1.5
  L1 [TOP] w0.3: U20.49@79.3,102.15 79.3,103.188 v1(79.629,103.517)
NetC136_2: C136.2 C144.1 | length 1.2
  L4[BOT] w0.3: C144.1@80.05,115.7 C136.2@80.05,116.9
NetC137_2: C137.2 C145.1 | length 1.3
  L4[BOT] w0.3: C145.1@64.909,111.481 64.909,110.261 C137.2@64.934,110.236
NetC138_2: C138.2 C146.1 | length 1.2
  L4[BOT] w0.3: C138.2@69.55,107.5 C146.1@70.75,107.5
NetC143_2: C143.2 C148.1 | length 1.9
  L1 [TOP] w0.2: C148.1@45.85,101 C143.2@45.85,102.9
NetC150_1: C150.1 U20.13 X1.1 | length 6.9
  L1 [TOP] w0.2: C150.1@61.65,106.6 61.65,108.5 X1.1@61.9,108.75 61.9,108.85 62.9,109.85 66,109.85 U20.13@66.05,109.9
NetC151_1: C151.1 U20.12 X1.3 | length 9.1
  L1 [TOP] w0.2: C151.1@58.1,110.75 59.8,110.75 X1.3@60.1,111.05 60.1,110.217 60.217,110.1 62.574,110.1 62.874,110.4 U20.12@66.05,110.4
NetC155_2: C155.2 C156.1 | length 1.4
  L4[BOT] w0.3: C155.2@35.953,109.499 C156.1@35.953,110.896
NetD4_A: D4.A L6.1 U19.7 U19.8
NetDS1_K: DS1.K R5.2 | length 1.5
  L4[BOT] w0.2: R5.2@31.381,90.779 31.432,90.83 DS1.K@32.854,90.83
NetDS2_K: DS2.K R10.2 | length 1.5
  L4[BOT] w0.2: R10.2@31.382,89.027 DS2.K@32.854,89.027
NetDS3_K: DS3.K R16.2 | length 1.4
  L4[BOT] w0.2: R16.2@31.382,87.198 DS3.K@32.829,87.198
NetDS4_K: DS4.K R20.2 | length 1.5
  L4[BOT] w0.2: R20.2@31.356,85.522 DS4.K@32.854,85.522
NetDS5_K: DS5.K R111.2 | length 1.5
  L4[BOT] w0.2: R111.2@31.331,83.896 DS5.K@32.841,83.896
NetDS6_K: DS6.K R112.1 | length 1.5
  L4[BOT] w0.2: R112.1@31.318,81.763 DS6.K@32.829,81.763
NetJ4_3: J4.3 R128.2 | length 4.4
  L1 [TOP] w0.2: R128.2@103.797,109.83 104.514,109.83 106.447,111.763 107.392,111.763 J4.3@107.43,111.8
NetJ4_4: J4.4 R129.2 | length 4.3
  L1 [TOP] w0.2: R129.2@103.771,111.455 104.531,111.455 106.126,113.05 J4.4@107.43,113.05
NetJ4_5: J4.5 R130.2 | length 4.1
  L1 [TOP] w0.2: R130.2@103.771,113.132 104.546,113.132 105.715,114.3 J4.5@107.43,114.3
NetJ4_6: J4.6 R131.2 | length 4
  L1 [TOP] w0.2: R131.2@103.771,114.757 104.445,114.757 105.238,115.55 J4.6@107.43,115.55
NetJ4_7: J4.7 R132.2 | length 3.9
  L1 [TOP] w0.2: R132.2@103.771,116.281 104.623,116.281 105.141,116.8 J4.7@107.43,116.8
NetJ4_8: J4.8 R133.2 | length 3.8
  L1 [TOP] w0.2: R133.2@103.771,117.78 103.781,117.77 104.403,117.77 104.683,118.05 J4.8@107.43,118.05
NetJ4_9: J4.9 R134.2 | length 3.7
  L1 [TOP] w0.2: R134.2@103.771,119.329 103.801,119.3 J4.9@107.43,119.3
NetJ6_3: J6.3 R115.1 | length 5.5
  L4[BOT] w0.2: J6.3@37.49,92.304 39.827,92.304 41.3,93.777 42.388,93.777 R115.1@42.411,93.8
NetJ6_4: J6.4 R116.1 | length 5.5
  L4[BOT] w0.2: J6.4@37.49,89.764 40.081,89.764 41.377,91.059 42.37,91.059 R116.1@42.411,91.1
NetJ6_5: J6.5 R117.1 | length 6
  L4[BOT] w0.2: J6.5@37.49,87.224 39.472,89.205 R117.1@42.657,89.205
NetJ8_3: J8.3 R92.1 TVS3.1 U17.6 | length 24.3
  L1 [TOP] w0.2: J8.3@34.595,111.388 38.548,111.388 40.635,109.301 TVS3.1@47.264,109.301 48.484,109.301 49.454,108.331 49.465,108.331 49.511,108.286 50.637,108.286 50.682,108.331 50.724,108.331 50.982,108.589 50.982,109.194 U17.6@51.049,109.261 51.116,109.194 51.116,108.63 51.593,108.153 52.68,108.153 53.074,107.759 53.074,105.756 53.191,105.639 53.521,105.639 53.721,105.439 R92.1@53.721,105.385
NetJ8_4: J8.4 R93.1 TVS3.2 U17.7 | length 18.2
  L1 [TOP] w0.2: J8.4@34.595,112.388 39.173,112.388 40.361,111.201 47.244,111.201 TVS3.2@47.269,111.227 49.609,111.227 49.809,111.027 R93.1@49.809,110.896 50.327,110.896 50.444,110.779 50.444,109.306 U17.7@50.399,109.261
NetJ9_3: J9.3 R99.1 TVS4.1 U18.6 | length 25.1
  L1 [TOP] w0.2: J9.3@34.544,117.849 34.744,117.649 36.452,117.649 38.976,115.126 43.802,115.126 44.577,115.9 46.228,115.9 TVS4.1@47.295,116.967 50.216,116.967 50.998,117.749 U18.6@50.998,118.709 51.065,118.776 51.065,119.34 51.41,119.684 52.629,119.684 53.188,119.126 53.188,117.465 53.305,117.348 R99.1@53.823,117.348
NetJ9_4: J9.4 R100.1 TVS4.2 U18.7 | length 26.3
  L1 [TOP] w0.2: J9.4@34.544,118.849 34.744,118.649 36.018,118.649 39.142,115.526 43.637,115.526 44.704,116.593 46.143,116.593 46.355,116.805 46.355,118.775 46.472,118.892 47.475,118.892 48.471,119.888 49.962,119.888 50.281,119.569 50.281,118.776 U18.7@50.348,118.709 50.415,118.776 50.415,119.34 51.019,119.944 51.16,120.084 53.141,120.084 53.746,119.479 53.746,118.923 R100.1@53.823,118.847
NetJ11_1: J11.1 R113.1 | length 7
  L1 [TOP] w0.2: J11.1@37.49,83.744 41.859,88.113 42.696,88.113
  other v1: 42.418,88.113
NetJ11_2: J11.2 R114.1 | length 7.9
  L1 [TOP] w0.2: J11.2@37.49,81.204 37.719,81.204 41.199,84.684 41.199,85.242 42.469,86.512 v1(42.469,86.933)
NetJ12_05: J12.05 R8.2 | length 10.6
  L1 [TOP] w0.2: R8.2@103.794,103.911 105.867,103.911 107.467,102.311 108.991,102.311 110.007,101.295 110.007,99.695 111.176,98.527 J12.05@111.176,98.476
NetJ12_06: J12.06 R120.1 | length 11.7
  L1 [TOP] w0.2: R120.1@103.759,99.035 103.857,98.937 104.242,98.937 108.228,94.951 109.556,94.951 109.88,95.275 109.88,96.342 108.636,97.587 J12.06@108.636,98.476
NetJ12_07: J12.07 R121.2 | length 11
  L1 [TOP] w0.2: R121.2@103.871,102.136 104.02,102.286 105.302,102.286 107.557,100.031 108.808,100.031 109.83,99.009 109.83,98.222 111.176,96.876 J12.07@111.176,95.936
NetJ12_08: J12.08 R124.1 | length 7
  L1 [TOP] w0.2: R124.1@103.759,100.736 103.759,100.62 103.959,100.42 104.216,100.42 108.636,96 J12.08@108.636,95.936
NetJ12_09: J12.09 R123.2 | length 9.1
  L1 [TOP] w0.2: R123.2@103.797,97.511 104.717,97.511 107.677,94.551 109.716,94.551 110.871,93.396 J12.09@111.176,93.396
NetJ12_10: J12.10 R122.1 | length 5.3
  L1 [TOP] w0.2: R122.1@103.556,92.964 107.934,92.964 108.365,93.396 J12.10@108.636,93.396
NetJ12_11: J12.11 R125.2 | length 8.9
  L1 [TOP] w0.2: R125.2@103.771,90.881 103.771,91.627 104.346,92.202 109.83,92.202 J12.11@111.176,90.856
NetJ12_12: J12.12 R126.1 | length 9.9
  L1 [TOP] w0.2: R126.1@103.835,87.63 105.054,87.63 105.385,87.3 109.398,87.3 109.855,87.757 109.855,89.637 J12.12@108.636,90.856
NetJ12_14: J12.14 R127.1 | length 5.1
  L1 [TOP] w0.2: R127.1@103.771,88.951 108.001,88.951 J12.14@108.636,88.316
NetQ1_1: Q1.1 R58.2 R62.2 | length 3
  L1 [TOP] w0.3: Q1.1@77.419,148.768 R58.2@78.73,148.768 ; R58.2@78.88,148.92 R62.2@78.88,150.596
NetQ2_1: Q2.1 R59.2 R63.2 | length 3
  L1 [TOP] w0.3: Q2.1@77.445,145.059 R59.2@78.742,145.059 ; R63.2@78.88,146.888 78.886,146.882 78.886,145.218 R59.2@78.892,145.212
NetQ3_1: Q3.1 R60.2 R64.2 | length 2.9
  L1 [TOP] w0.3: Q3.1@77.45,141.397 R60.2@78.73,141.397 ; R60.2@78.88,141.554 R64.2@78.88,143.18
NetQ4_1: Q4.1 R61.2 R65.2 | length 3.2
  L1 [TOP] w0.3: Q4.1@77.445,137.693 78.779,137.693 R61.2@78.88,137.795 R65.2@78.88,139.471
NetR1_1: R1.1 R2.2 U1.1 | length 3.8
  L1 [TOP] w0.2: U1.1@51.137,86.168 51.906,86.168 52.629,85.446 R1.1@53.315,85.446 53.505,85.255 R2.2@53.505,84.226
NetR1_2: R1.2 R6.1 U1.2 | length 4.9
  L1 [TOP] w0.2: U1.2@51.137,86.643 53.286,86.643 R6.1@53.315,86.614 53.975,86.614 54.28,86.309 54.28,85.588 54.397,85.471 55.105,85.471 R1.2@55.13,85.446
NetR3_2: R3.2 R4.1 U1.4 | length 4.3
  L1 [TOP] w0.2: U1.4@50.962,87.743 51.003,87.784 51.003,88.29 51.638,88.925 R3.2@53.302,88.925 53.302,90.055 R4.1@53.289,90.068
NetR7_2: R7.2 U1.9 | length 1.9
  L1 [TOP] w0.2: R7.2@47.485,86.69 47.532,86.643 U1.9@49.337,86.643
NetR9_1: R9.1 R11.2 U3.4 | length 3.7
  L1 [TOP] w0.5: R9.1@65.507,83.388 65.519,83.375 66.853,83.375 R11.2@66.866,83.363 66.866,83.513 67.564,84.211 U3.4@67.564,85.38
NetR12_1: R12.1 R18.2 U2.2 | length 5.1
  L1 [TOP] w0.2: U2.2@40.647,143.234 42.098,143.234 42.349,142.983 42.349,142.231 42.949,141.631 R18.2@42.949,141.481 42.949,139.945 R12.1@42.987,139.907
NetR13_1: R13.1 R17.2 U2.1 | length 7.3
  L1 [TOP] w0.2: U2.1@40.647,142.759 40.797,142.759 42.225,141.331 42.225,138.764 42.342,138.647 42.749,138.647 42.949,138.447 R17.2@42.949,138.383 42.949,136.744 R13.1@42.962,136.732
NetR14_2: R14.2 R15.1 U2.4 | length 4
  L1 [TOP] w0.2: U2.4@40.472,144.334 42.729,144.334 R14.2@42.899,144.504 42.962,144.567 R15.1@42.962,146.003
NetR19_2: R19.2 U2.9 | length 2.9
  L1 [TOP] w0.2: R19.2@36.269,142.523 37.476,142.523 38.187,143.234 U2.9@38.847,143.234
NetR21_2: R21.2 R27.2 U5.13 | length 44.5
  L1 [TOP] w0.2: v1(34.087,125.044) 34.141,125.044 34.462,124.723 34.765,124.723 34.88,124.608 35.343,124.608 35.357,124.621 35.686,124.621 U5.13@35.711,124.646
  L3[SIG] w0.2: v1(34.087,125.044) 34.141,125.044 34.516,124.67 35.846,124.67 36.144,124.968 36.144,125.432 37.077,126.365 56.744,126.365 61.519,121.59 61.519,117.837 60.807,117.126 59.553,117.126 59.03,116.602 59.03,115.507 59.411,115.126 62.636,115.126 v1(62.637,115.659)
NetR22_2: R22.2 R25.2 U6.13 | length 34.3
  L1 [TOP] w0.2: v1(46.458,124.868) 48.147,124.868 48.327,124.687 U6.13@49.171,124.687
  L3[SIG] w0.2: v1(46.458,124.868) v1(46.458,124.868) 46.459,125.174 47.25,125.965 56.578,125.965 61.011,121.532 61.011,118.059 60.477,117.526 59.182,117.526 58.63,116.973 58.63,115.335 59.239,114.726 63.859,114.726 64.109,114.976 v1(64.109,115.684)
NetR23_2: R23.2 R28.2 U5.19 | length 25.8
  L3[SIG] w0.2: v1(37.694,124.511) 37.748,124.511 37.9,124.358 47.144,124.358 47.513,124.727 49.747,124.727 49.972,124.952 57.025,124.952 59.487,122.49 v1(59.487,119.773)
NetR24_2: R24.2 R26.2 U6.19 | length 15.6
  L1 [TOP] w0.2: v1(60.3,119.71) 60.998,119.71 R24.2@61.087,119.799
  L3[SIG] w0.2: v1(51.154,124.552) 56.859,124.552 59.03,122.382 59.03,119.065 59.147,118.948 60.007,118.948 60.269,119.21 60.269,119.68 v1(60.3,119.71)
  L4[BOT] w0.2: v1(60.3,119.71) 60.999,119.71 R26.2@61.087,119.799
NetR29_2: R29.2 R33.2 U7.13 | length 12.6
  L1 [TOP] w0.2: v1(61.011,125.26) 61.015,125.264 62.397,125.264 U7.13@62.406,125.255
  L3[SIG] w0.2: v1(59.537,115.709) 59.956,115.709 61.959,117.712 61.959,124.312 v1(61.011,125.26)
NetR30_2: R30.2 R35.2 U8.13 | length 25.8
  L1 [TOP] w0.2: v1(74.168,125.4) 74.171,125.403 74.954,125.403 U8.13@74.958,125.406
  L3[SIG] w0.2: v1(61.061,115.684) 62.814,117.437 62.814,119.974 63.77,120.929 70.739,120.929 71.095,121.285 72.06,121.285 75.557,124.783 76.16,124.783 76.352,124.975 76.352,126.375 76.167,126.56 74.998,126.56 74.168,125.73 v1(74.168,125.4)
NetR31_2: R31.2 R34.2 U7.19 | length 6.6
  L1 [TOP] w0.2: v1(62.382,119.786) 62.598,119.786 R31.2@62.611,119.799
  L3[SIG] w0.2: v1(62.382,119.786) 62.382,123.06 64.389,125.066 v1(64.389,125.12)
  L4[BOT] w0.2: v1(62.382,119.786) 62.599,119.786 R34.2@62.611,119.799
NetR32_2: R32.2 R36.2 U8.19 | length 16.9
  L1 [TOP] w0.2: v1(63.373,119.761) 64.097,119.761 R32.2@64.135,119.799
  L4[BOT] w0.2: v1(63.373,119.761) 64.097,119.761 R36.2@64.135,119.799 64.189,119.745 71.721,119.745 76.94,124.965 v1@76.94,125.27
  other v1: 76.941,125.271
NetR37_1: R37.1 U9.20 | length 2.3
  L4[BOT] w0.2: R37.1@38.227,116.053 38.185,116.053 38.112,116.126 38.112,117.624 38.229,117.741 U9.20@38.737,117.741
NetR39_2: R39.2 U9.3 U9.5 U9.7 U9.9 | length 6.7
  L1 [TOP] w0.2: v2(40.187,120.191) v2(41.187,120.191) 41.687,120.191 v2(42.137,119.741) v2(42.137,118.741)
  L4[BOT] w0.2: v2(42.137,118.741) 42.166,118.712 42.4,118.712 42.864,118.249 42.864,116.828 42.431,116.395 42.431,116.078 R39.2@42.266,115.913
NetR47_2: R47.2 R52.1 U12.5 | length 4.6
  L1 [TOP] w0.2: R47.2@87.265,104.882 87.465,105.082 R47.2@87.465,105.232 ; R52.1@87.427,106.858 87.465,106.82 R47.2@87.465,105.232 ; U12.5@89.865,105.512 87.665,105.512 87.465,105.312 R47.2@87.465,105.232
NetR48_2: R48.2 R54.1 U12.6 | length 4.3
  L1 [TOP] w0.2: R48.2@87.465,102.083 87.427,102.12 R54.1@87.427,103.657 88.087,103.657 88.62,104.191 89.814,104.191 U12.6@89.865,104.242
NetR49_2: R49.2 R50.1 U12.3 | length 7.3
  L1 [TOP] w0.2: R49.2@87.414,113.233 87.414,111.671 R50.1@87.402,111.658 88.113,111.658 88.367,111.404 88.367,108.382 88.697,108.052 U12.3@89.865,108.052
NetR51_1: R51.1 R55.1 U12.4 | length 4.8
  L1 [TOP] w0.2: R55.1@87.384,108.501 87.384,108.351 88.753,106.982 89.665,106.982 U12.4@89.865,106.782 ; R55.1@87.402,108.483 R51.1@87.402,110.033
NetR56_2: R56.2 R136.2 U11.2 | length 3.8
  L1 [TOP] w0.2: R136.2@87.363,119.101 R56.2@87.363,117.475 87.363,117.541 87.563,117.741 87.846,117.741 88.202,118.098 89.176,118.098 U11.2@89.213,118.135
NetR57_2: R57.2 U11.3 | length 2.4
  L1 [TOP] w0.2: R57.2@87.338,115.9 87.338,116.05 88.076,116.789 89.137,116.789 U11.3@89.213,116.865
NetR66_2: R66.2 U13.1 U13.2 | length 4.4
  L1 [TOP] w0.3: R66.2@90.449,126.835 90.5,126.886 90.5,127.823 91.516,128.839 U13.1@91.516,129.528 U13.2@92.786,129.528
NetR67_1: R67.1 U13.6 U13.7 | length 5
  L1 [TOP] w0.3: R67.1@91.719,137.744 91.847,137.617 91.847,137.261 92.786,136.322 U13.7@92.786,134.468 U13.6@94.056,134.468
NetR72_1: R72.1 U14.6 U14.7 | length 4.7
  L1 [TOP] w0.3: U14.6@98.908,129.559 U14.7@100.178,129.559 100.178,128.864 100.313,128.729 100.455,128.729 101.689,127.495 101.689,127.074 101.839,126.924 R72.1@101.905,126.924
NetR73_2: R73.2 U14.1 U14.2 | length 5.6
  L1 [TOP] w0.3: U14.2@100.178,134.499 U14.1@101.448,134.499 101.48,134.532 101.48,135.686 103.401,137.607 103.609,137.607 R73.2@103.759,137.757
NetR78_1: R78.1 U15.6 U15.7 | length 6
  L4[BOT] w0.3: R78.1@90.424,126.822 90.424,127.612 90.6,127.787 92.456,127.787 92.786,128.118 U15.7@92.786,129.534 U15.6@94.056,129.534
NetR80_2: R80.2 U15.1 U15.2 | length 4.6
  L4[BOT] w0.3: R80.2@91.694,137.732 91.666,137.732 91.516,137.582 U15.1@91.516,134.474 91.651,134.474 U15.2@92.786,134.474
NetR84_2: R84.2 U16.1 U16.2 | length 4.1
  L4[BOT] w0.3: U16.2@100.152,129.508 101.422,129.508 101.548,129.383 101.548,128.078 101.956,127.67 R84.2@101.956,126.911
NetR85_1: R85.1 U16.6 U16.7 | length 6.7
  L4[BOT] w0.3: U16.6@98.882,134.448 100.152,134.448 100.152,135.143 101.458,136.449 102.314,136.449 103.634,137.77 R85.1@103.784,137.77
NetR90_1: R90.1 R95.2 U17.3 U18.3 | length 22.3
  L1 [TOP] w0.2: U18.3@50.998,114.259 51.065,114.326 51.065,115.217 51.182,115.334 52.56,115.334 52.807,115.087 52.807,113.334 53.264,112.877 R95.2@53.785,112.877 53.785,112.727 54.762,111.75 54.762,109.804 ; U17.3@51.049,104.811 51.116,104.878 51.116,105.742 51.233,105.86 52.157,105.86 52.274,105.742 52.274,104.317 52.68,103.911 54.312,103.911 54.762,104.362 54.762,109.804 ; R90.1@53.721,109.931 54.635,109.931 54.762,109.804
NetR91_1: R91.1 R94.2 U17.2 U18.2 | length 22.1
  L1 [TOP] w0.2: R91.1@49.809,112.471 49.809,112.621 50.415,113.227 U18.2@50.415,114.192 ; U18.2@50.348,114.259 U18.2@50.401,114.207 ; U17.2@50.399,104.811 50.399,106.334 50.516,106.451 52.273,106.451 52.674,106.051 52.674,104.483 52.845,104.311 54.146,104.311 54.321,104.486 54.321,108.944 54.083,109.181 53.297,109.181 52.966,109.512 52.966,111.496 52.966,112.305 51.986,113.284 50.76,113.284 U18.2@50.435,113.609 ; 53.01,111.496 53.127,111.379 R94.2@53.734,111.379
NetR96_2: R96.2 R98.2 U17.5 | length 3.9
  L1 [TOP] w0.2: U17.5@51.699,109.261 52.42,109.261 52.924,108.757 53.483,108.757 53.683,108.557 R96.2@53.683,106.883
NetR97_1: R97.1 R101.2 U18.5 | length 5.7
  L1 [TOP] w0.2: U18.5@51.648,118.709 51.648,117.262 53.061,115.849 R101.2@53.785,115.849 53.785,114.363 R97.1@53.823,114.325
NetR105_2: R105.2 U21.6 | length 2
  L1 [TOP] w0.2: U21.6@52.125,102.75 52.2,102.825 52.4,102.825 52.575,103 52.575,103.183 52.692,103.3 R105.2@53.78,103.3
NetR106_2: R106.2 U21.5 | length 1.7
  L1 [TOP] w0.2: U21.5@52.125,101.8 52.9,101.8 52.902,101.802 53.483,101.802 53.573,101.892 R106.2@53.573,102.1
NetR107_2: R107.2 U21.4 | length 1.8
  L1 [TOP] w0.2: U21.4@52.125,100.85 52.175,100.9 52.9,100.9 53.2,100.6 53.566,100.6 R107.2@53.683,100.482
NetR108_2: R108.2 R109.2 U21.3 | length 7.5
  L1 [TOP] w0.2: R108.2@47.527,99.3 47.527,99.45 48.677,100.6 49.025,100.6 U21.3@49.275,100.85 50.25,100.85 51.8,99.3 R109.2@53.673,99.3
NetR118_1: R118.1 R119.2 U20.94 | length 6
  L1 [TOP] w0.2: U20.94@70.8,117.65 70.75,117.7 70.75,118.411 70.624,118.537 70.624,119.385 71.012,119.773 72.21,119.773 72.327,119.89 72.327,120.577 72.527,120.777 R118.1@72.619,120.777 73.787,120.777 v2(73.844,120.834)
NetR135_2: R135.2 U1.3 | length 2.5
  L1 [TOP] w0.2: U1.3@51.137,87.093 51.99,87.093 52.679,87.782 R135.2@53.302,87.782
NetR137_1: R137.1 R138.1 U20.37 | length 3.7
  L1 [TOP] w0.2: R137.1@71.958,100.305 R138.1@73.66,100.305 73.66,100.889 73.304,101.244 73.304,102.146 U20.37@73.3,102.15
NetR139_1: R139.1 R141.1 U22.1 | length 6
  L4[BOT] w0.3: R139.1@33.655,99.924 37.188,99.924 37.363,100.099 U22.1@37.363,102.354